# Altium PCB PowerSupply-Motherboard.PcbDoc (part 1 of 2)
Units mil, origin at the board's own origin, x right, y up, seen from the top; angles counter-clockwise.
Board outline 3937.01 x 1574.8 mil, 4 copper layers (L1, L2, L3, L4), stack 59.72 mil thick; 138 components, 76 nets, 435 pads, 157 vias.
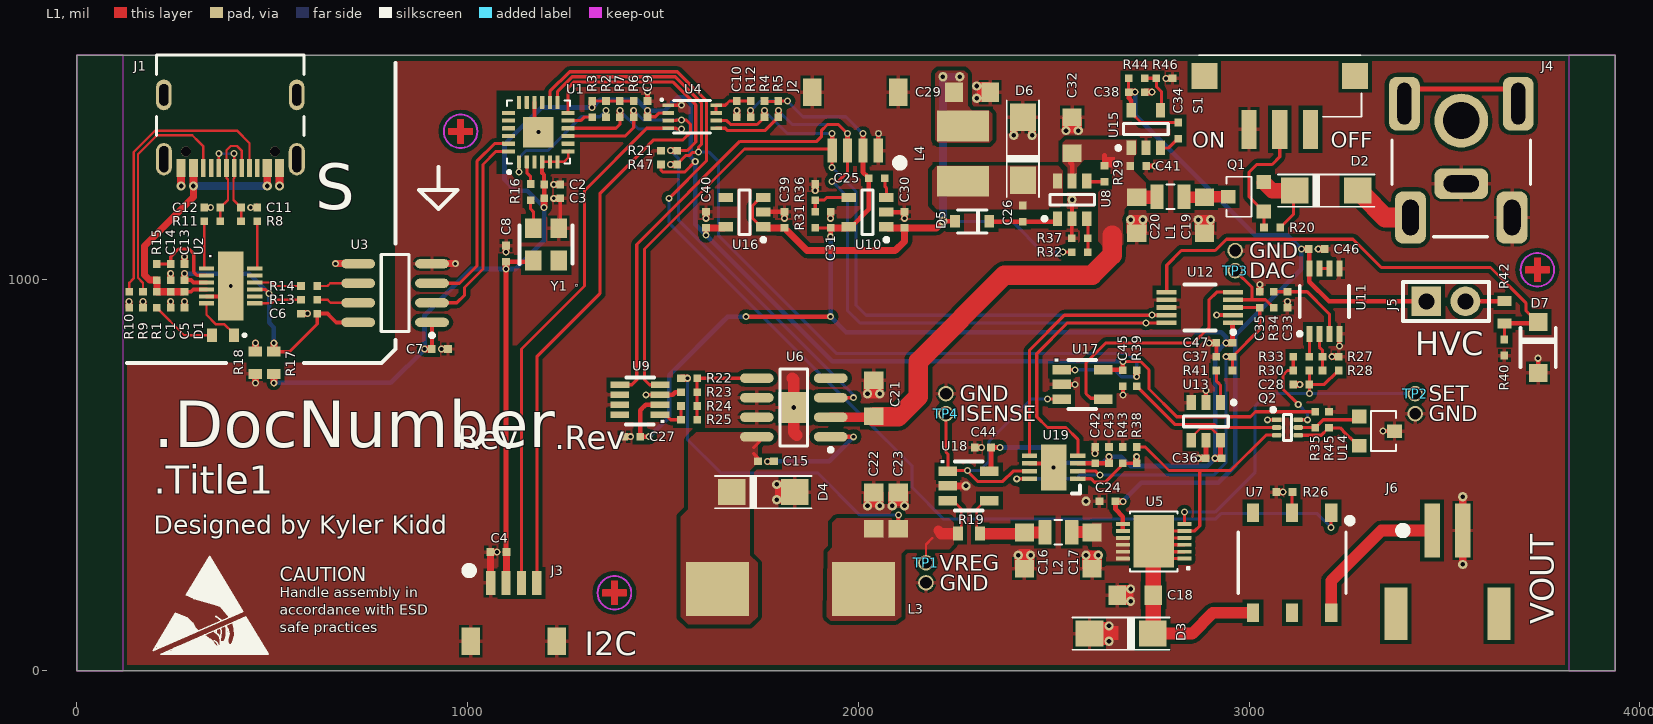
[diagram p0: L1 view]
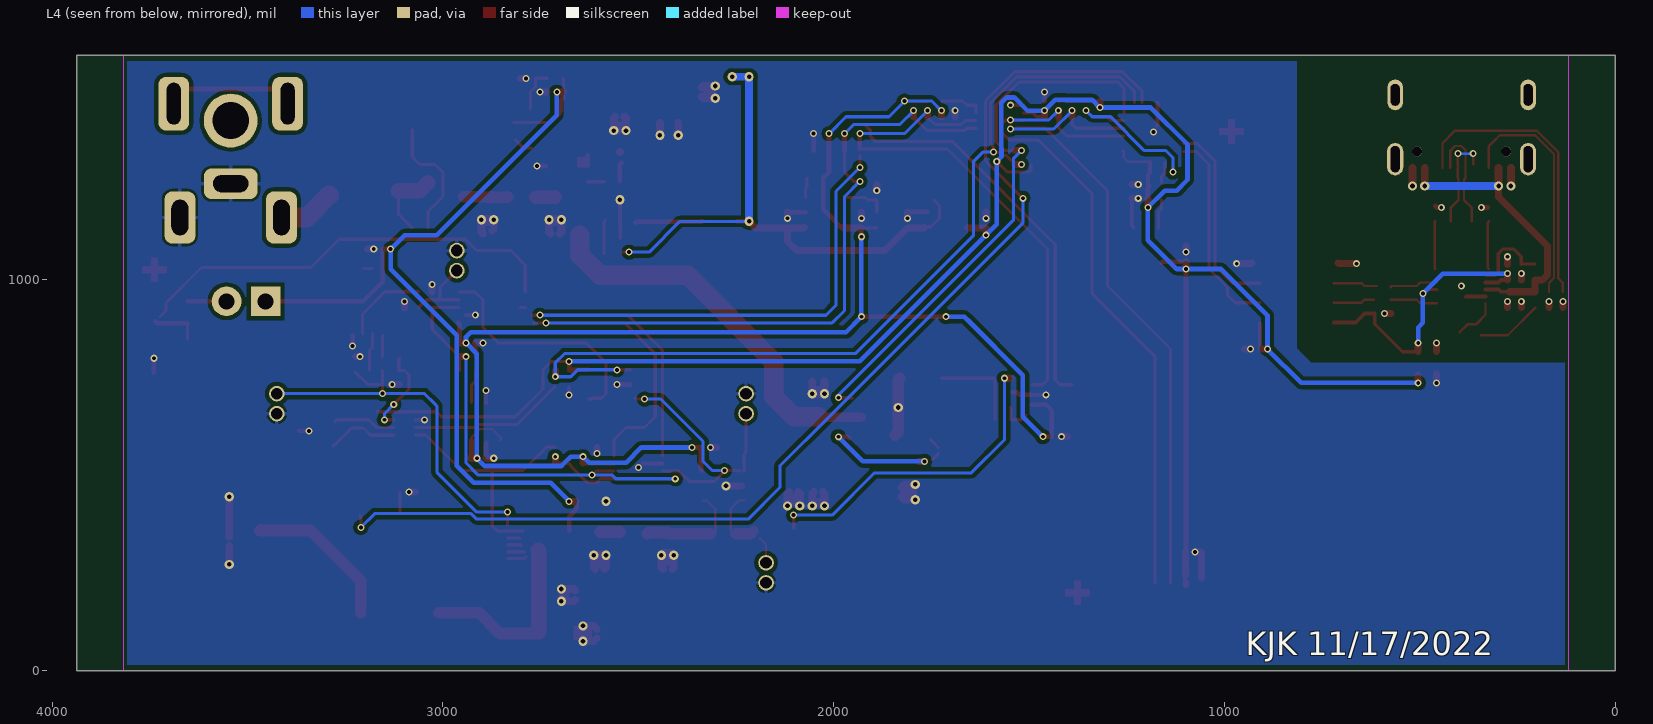
[diagram p1: L4 view, seen from below]
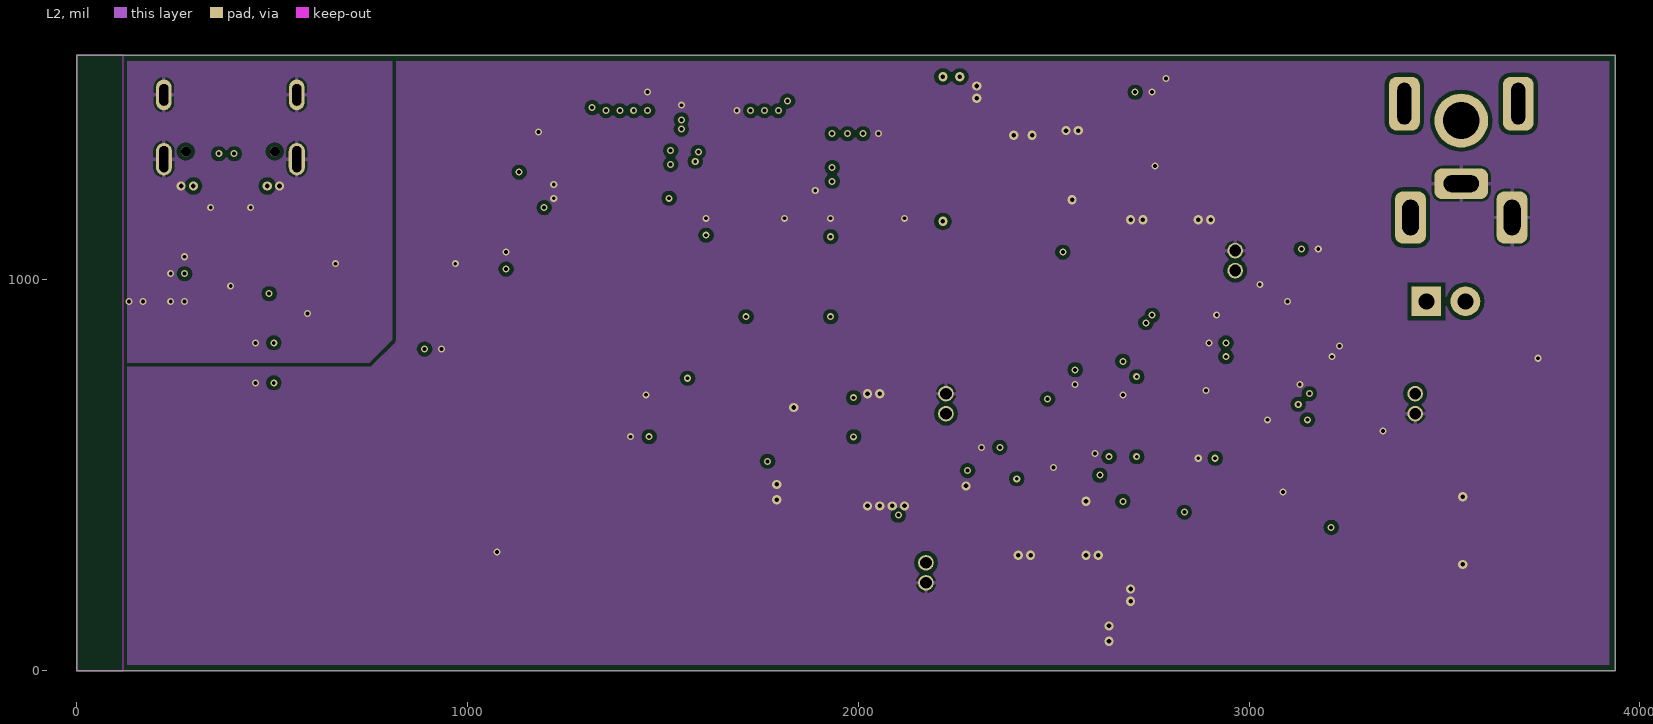
[diagram p2: L2]
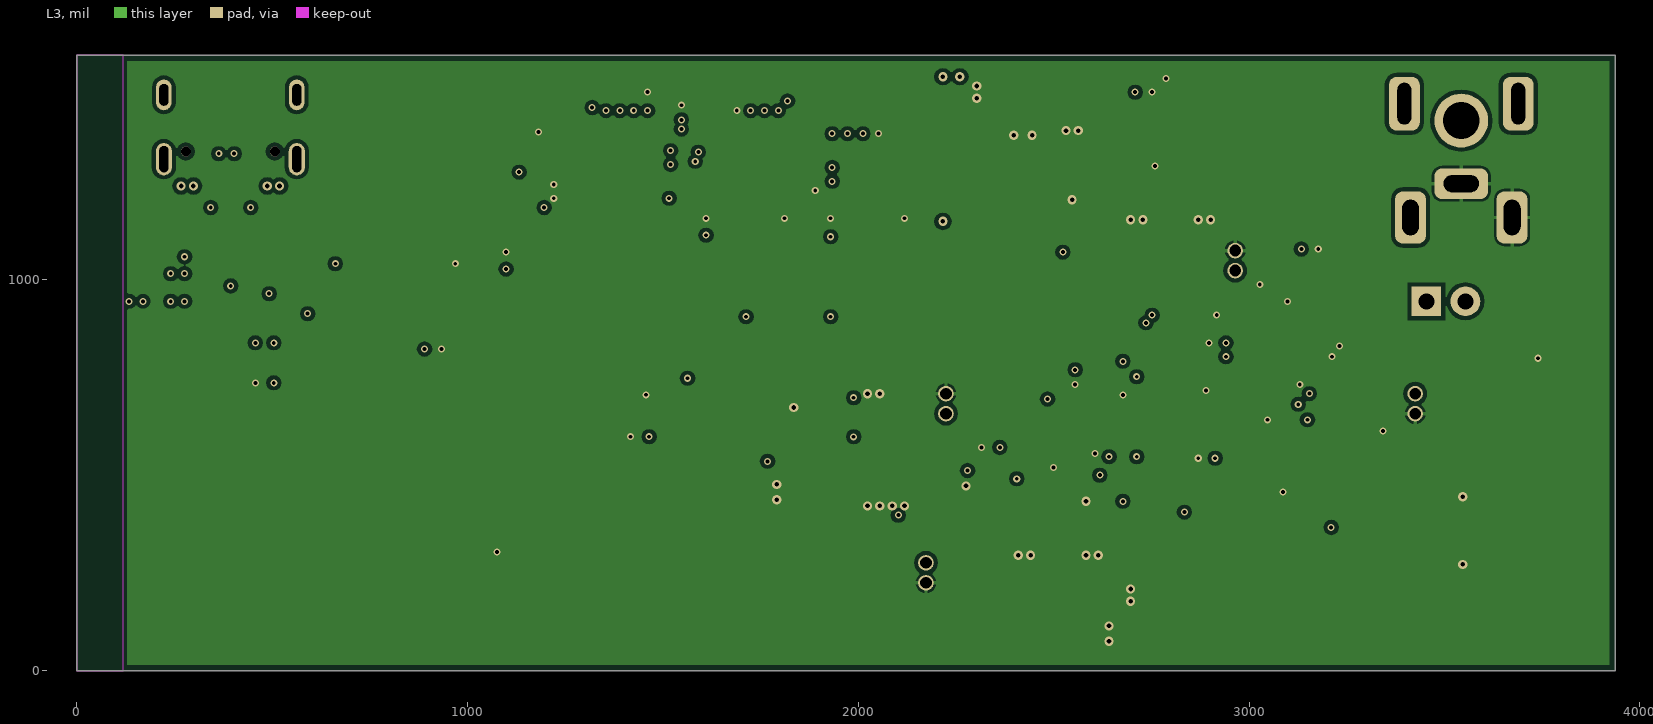
[diagram p3: L3]
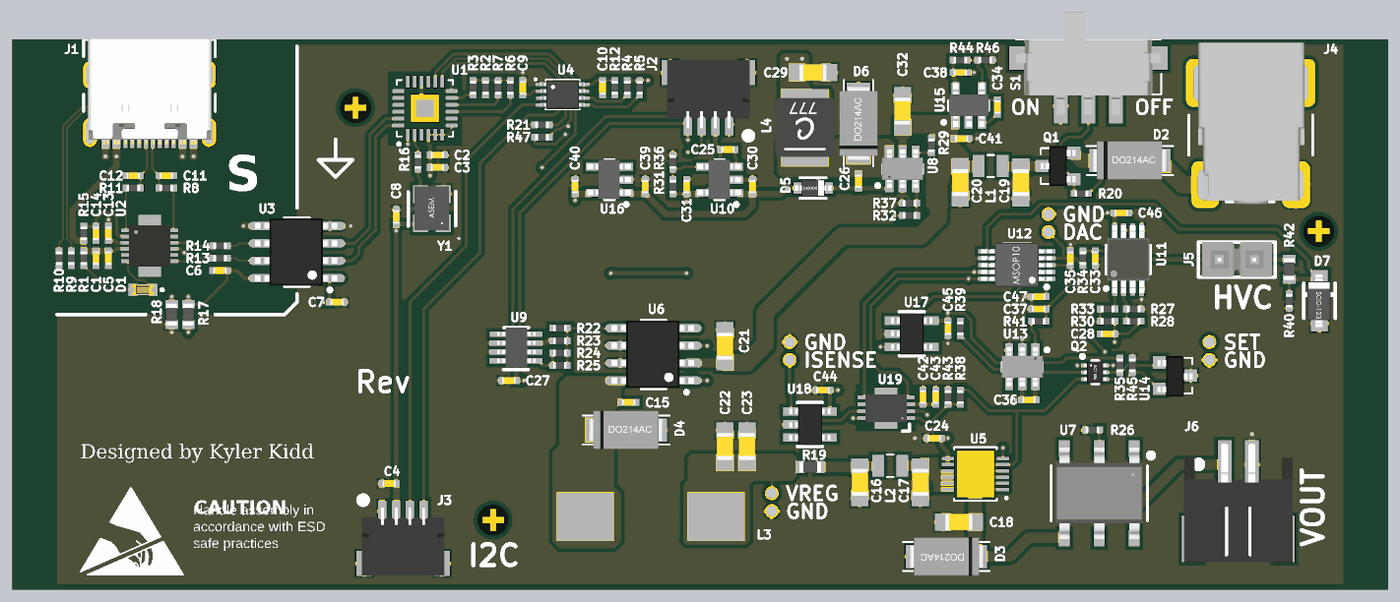
[diagram p5: 3D render of the assembled board from above, using the file's embedded part models]

## Layer stack, top to bottom
Top Solder: solder mask 1, Solder Resist, Dk 0
L1: signal copper 1.7
Prepeg: prepreg 7.96, FR408, Dk 4.2
L2: signal copper 0.7
Core: core 39, FR-4, Dk 4.2
L3: signal copper 0.7
Prepeg: prepreg 7.96, FR408, Dk 4.2
L4: signal copper 1.7
Bottom Solder: solder mask 1, Solder Resist, Dk 0

## Board outline
0,0 0,1574.8 3937.01,1574.8 3937.01,0

## Design rules (kind name [scope] priority, off if disabled: settings)
BoardOutlineClearance [All] p1: gap=15 ignorepadtopadclearanceinfootprint=FALSE
Clearance "Clearance Polygons" [InPolygon] p1: gap=10 ignorepadtopadclearanceinfootprint=FALSE except(0: Arc-Hole Track-Hole SMDPad-Hole THPad-Hole Via-Hole Fill-Hole Poly-Hole Region-Hole Text-Hole)
Clearance [All] p2: gap=5 ignorepadtopadclearanceinfootprint=FALSE except(0: Arc-Hole Track-Hole SMDPad-Hole THPad-Hole Via-Hole Fill-Hole Poly-Hole Region-Hole Text-Hole)
ComponentClearance "HM-TRP & UFL" [InComponent('X1') vs InComponent('U1')] p1: gap=0 collisioncheckmode=3 verticalgap=0 showdistances=FALSE
ComponentClearance [All] p2: gap=1 collisioncheckmode=3 verticalgap=1 showdistances=FALSE
DiffPairsRouting [All] p1: maxlimit=393.7 minlimit=5 mostfreqgap=8 toplayer_minwidth=5 toplayer_maxwidth=15 toplayer_prefwidth=8 midlayer1_minwidth=5 midlayer1_maxwidth=15 midlayer1_prefwidth=8 midlayer2_minwidth=5 midlayer2_maxwidth=15 midlayer2_prefwidth=8 bottomlayer_minwidth=5 bottomlayer_maxwidth=15 bottomlayer_prefwidth=8 maxuncoupledlength=500
HoleSize [All] p1: absolutevalues=TRUE maxlimit=265 minlimit=10 maxpercent=80.000 minpercent=20.000
HoleToHoleClearance [All] p1: gap=10 allowstackedmicrovias=FALSE
MinimumAnnularRing [All] p1: minimumring=4
MinimumSolderMaskSliver [All] p1: minsoldermaskwidth=0
PlaneClearance [All] p1: clearance=10
PlaneConnect [All] p1: planeconnectstyle=Relief reliefexpansion=4 reliefentries=4 reliefconductorwidth=6 reliefairgap=6
PolygonConnect PolygonConnect_8 [All vs IsNamedPolygon('L1-VIN')] p1: thpad.connectstyle=Relief thpad.reliefconductorwidth=10 thpad.reliefentries=4 thpad.polygonreliefangle="90 Angle" thpad.airgapwidth=10 smdpad.connectstyle=Direct smdpad.reliefconductorwidth=10 smdpad.reliefentries=4 smdpad.polygonreliefangle="90 Angle" smdpad.airgapwidth=10 via.connectstyle=Relief via.reliefconductorwidth=10 via.reliefentries=4 via.polygonreliefangle="90 Angle" via.airgapwidth=10
PolygonConnect PolygonConnect_7 [All vs IsNamedPolygon('L1-CS+')] p2: thpad.connectstyle=Relief thpad.reliefconductorwidth=10 thpad.reliefentries=4 thpad.polygonreliefangle="90 Angle" thpad.airgapwidth=10 smdpad.connectstyle=Direct smdpad.reliefconductorwidth=10 smdpad.reliefentries=4 smdpad.polygonreliefangle="90 Angle" smdpad.airgapwidth=10 via.connectstyle=Relief via.reliefconductorwidth=10 via.reliefentries=4 via.polygonreliefangle="90 Angle" via.airgapwidth=10
PolygonConnect PolygonConnect_6 [All vs IsNamedPolygon('L1-SWB')] p3: thpad.connectstyle=Relief thpad.reliefconductorwidth=10 thpad.reliefentries=4 thpad.polygonreliefangle="90 Angle" thpad.airgapwidth=10 smdpad.connectstyle=Direct smdpad.reliefconductorwidth=10 smdpad.reliefentries=4 smdpad.polygonreliefangle="90 Angle" smdpad.airgapwidth=10 via.connectstyle=Relief via.reliefconductorwidth=10 via.reliefentries=4 via.polygonreliefangle="90 Angle" via.airgapwidth=10
PolygonConnect PolygonConnect_5 [All vs IsNamedPolygon('L1-SWB')] p4: thpad.connectstyle=Relief thpad.reliefconductorwidth=10 thpad.reliefentries=4 thpad.polygonreliefangle="90 Angle" thpad.airgapwidth=10 smdpad.connectstyle=Direct smdpad.reliefconductorwidth=10 smdpad.reliefentries=4 smdpad.polygonreliefangle="90 Angle" smdpad.airgapwidth=10 via.connectstyle=Relief via.reliefconductorwidth=10 via.reliefentries=4 via.polygonreliefangle="90 Angle" via.airgapwidth=10
PolygonConnect PolygonConnect_4 [All vs IsNamedPolygon('L1-SWA')] p5: thpad.connectstyle=Relief thpad.reliefconductorwidth=10 thpad.reliefentries=4 thpad.polygonreliefangle="90 Angle" thpad.airgapwidth=10 smdpad.connectstyle=Direct smdpad.reliefconductorwidth=10 smdpad.reliefentries=4 smdpad.polygonreliefangle="90 Angle" smdpad.airgapwidth=10 via.connectstyle=Relief via.reliefconductorwidth=10 via.reliefentries=4 via.polygonreliefangle="90 Angle" via.airgapwidth=10
PolygonConnect PolygonConnect_3 [All vs IsNamedPolygon('L1-V+')] p6: thpad.connectstyle=Relief thpad.reliefconductorwidth=10 thpad.reliefentries=4 thpad.polygonreliefangle="90 Angle" thpad.airgapwidth=10 smdpad.connectstyle=Direct smdpad.reliefconductorwidth=10 smdpad.reliefentries=4 smdpad.polygonreliefangle="90 Angle" smdpad.airgapwidth=10 via.connectstyle=Direct via.reliefconductorwidth=10 via.reliefentries=4 via.polygonreliefangle="90 Angle" via.airgapwidth=10
PolygonConnect PolygonConnect_2 [All vs IsNamedPolygon('L1-+5.5V')] p7: thpad.connectstyle=Relief thpad.reliefconductorwidth=10 thpad.reliefentries=4 thpad.polygonreliefangle="90 Angle" thpad.airgapwidth=10 smdpad.connectstyle=Direct smdpad.reliefconductorwidth=10 smdpad.reliefentries=4 smdpad.polygonreliefangle="90 Angle" smdpad.airgapwidth=10 via.connectstyle=Direct via.reliefconductorwidth=10 via.reliefentries=4 via.polygonreliefangle="90 Angle" via.airgapwidth=10
PolygonConnect PolygonConnect_1 [All vs IsNamedPolygon('L1-SWA')] p8: thpad.connectstyle=Relief thpad.reliefconductorwidth=10 thpad.reliefentries=4 thpad.polygonreliefangle="90 Angle" thpad.airgapwidth=10 smdpad.connectstyle=Direct smdpad.reliefconductorwidth=10 smdpad.reliefentries=4 smdpad.polygonreliefangle="90 Angle" smdpad.airgapwidth=10 via.connectstyle=Relief via.reliefconductorwidth=10 via.reliefentries=4 via.polygonreliefangle="90 Angle" via.airgapwidth=10
PolygonConnect "Via connect style" [isVia] p9: connectstyle=Direct reliefconductorwidth=10 reliefentries=4 polygonreliefangle="90 Angle" airgapwidth=10
PolygonConnect [All] p10: connectstyle=Relief reliefconductorwidth=10 reliefentries=4 polygonreliefangle="90 Angle" airgapwidth=6
RoutingCorners [All] p1: cornerstyle=45-Degree minsetback=49.21 maxsetback=49.21
RoutingVias [All] p1: holewidth=12 width=22 viastyle="Through Hole" minholewidth=10 minwidth=18 maxholewidth=100 maxwidth=114
SilkToSilkClearance [All] p1: silktosilkclearance=0
SilkToSolderMaskClearance [IsPad] p1: minsilkscreentomaskgap=0 clearancetoexposedcopper=TRUE
SolderMaskExpansion [All] p1: expansion=2.5
Width GND [InNet('GND')] p1: maxlimit=30 minlimit=8 preferedwidth=20
Width Power [InNetClass('Power')] p2: maxlimit=40 minlimit=20 preferedwidth=30
Width 3V3 [InNetClass('3V3')] p3: maxlimit=30 minlimit=10 preferedwidth=20
Width [All] p4: maxlimit=400 minlimit=6 preferedwidth=8
20 further rules are at their usual default settings.

## Classes and differential pairs
differential pair USB: +USB_P -USB_N

## Components (designator, comment, footprint, x,y, rotation, side; value= is the part's Value field where it differs from the comment)
C1 "10uF" 0402 240.16,948.82 r90 top
C2 "0.1uF" 0402 1216.54,1244.09 r180 top
C3 "4.7uF" 0402 1216.54,1208.66 r180 top
C4 "10uF" 0402 1078.74,303.15 r0 top
C5 "0.1uF" 0402 275.59,948.82 r90 top
C6 "0.1uF" 0402 594.49,913.39 r0 top
C7 "0.1uF" 0402 929.13,822.83 r180 top
C8 "0.01uF" 0402 1098.43,1066.93 r270 top
C9 "0.1uF" 0402 1460.63,1437.01 r270 top
C10 "0.1uF" 0402 1688.98,1437.01 r90 top
C11 "47pF" 0402 440.94,1185.04 r180 top
C12 "47pF" 0402 346.46,1185.04 r0 top
C13 "0.1uF" 0402 275.59,1019.69 r270 top
C14 "0.1uF" 0402 240.16,1019.69 r90 top
C15 "0.1uF" 0402 1763.78,535.43 r0 top
C16 "22uF" 0805 2425.2,307.09 r90 top
C17 "22uF" 0805 2598.43,307.09 r90 top
C18 "22uF" 0805 2708.66,192.91 r0 top
C19 "22uF" 0805 2885.83,1165.35 r90 top
C20 "22uF" 0805 2712.6,1165.35 r90 top
C21 "22uF" 0805 2039.37,696.85 r270 top
C22 "22uF" 0805 2039.37,409.45 r270 top
C23 "22uF" 0805 2102.36,409.45 r270 top
C24 "4.7uF" 0402 2637.8,433.07 r0 top
C25 "0.01uF" 0402 2047.24,1259.84 r0 top
C26 "0.01uF" 0402 2421.26,1169.29 r270 top
C27 "0.1uF" 0402 1421.26,598.43 r0 top
C28 "0.01uF" 0402 3133.86,732.28 r0 top
C29 "22uF" 0805 2291.34,1480.32 r180 top
C30 "4.7uF" 0402 2118.11,1153.54 r270 top
C31 "4.7uF" 0402 1929.13,1153.54 r270 top
C32 "22uF" 0805 2547.24,1370.08 r270 top
C33 "0.1uF" 0402 3098.43,948.82 r90 top
C34 "0.01uF" 0402 2818.9,1381.89 r270 top
C35 "DNP" 0402 3027.56,948.82 r270 top
C36 "4.7uF" 0402 2909.45,543.31 r0 top
C37 "DNP" 0402 2937.01,803.15 r0 top
C38 "4.7uF" 0402 2712.6,1480.32 r180 top
C39 "10uF" 0402 1811.02,1153.54 r270 top
C40 "10uF" 0402 1610.24,1153.54 r270 top
C41 "4.7uF" 0402 2716.54,1291.34 r180 top
C42 "0.1uF" 0402 2606.3,551.18 r270 top
C43 "10uF" 0402 2641.73,551.18 r270 top
C44 "0.1uF" 0402 2318.9,570.87 r0 top
C45 "0.1uF" 0402 2677.17,748.03 r90 top
C46 "0.1uF" 0402 3173.23,1078.74 r180 top
C47 "0.1uF" 0402 2937.01,838.58 r0 top
D1 "LED_Red" 0603_LED_Red 374.02,858.27 r0 top
D2 "B240A-13-F" SMA 3196.85,1228.35 r180 top
D3 "SMAJE12AH" SMA 2673.23,94.49 r0 top
D4 "B240A-13-F" SMA 1755.91,456.69 r180 top
D5 "1N4148" SOD-323 2291.34,1149.61 r180 top
D6 "B240A-13-F" SMA 2421.26,1334.65 r270 top
D7 "BZT52-B7V5X" SOD-123 3740.16,826.77 r90 top
J1 "USB4105-GF-A" USB4105-GF-A 393.7,1417.32 r180 top locked
J2 "CCSH-W10R-04TR-BK-A" CCSH-W10R-04TR-BK-A 2125.98,1515.75 r180 top locked
J3 "CCSH-W10R-04TR-BK-A" CCSH-W10R-04TR-BK-A 984.25,39.37 r0 top locked
J4 "PJ-047A" PJ-047A 3543.31,1338.58 r270 top locked
J5 "TSW-102-23-S-S" TSW-102-xx-L-S 3503.94,944.88 r0 top
J6 "S2B-PH-SM4-TB(LF)(SN)" S2B-PH-SM4-TB(LF)(SN) 3346.46,78.74 r0 top locked
L1 "2.2uH" 0806AZ 2799.21,1212.6 r180 top
L2 "2.2uH" 0806AZ 2511.81,354.33 r0 top
L3 "10uH" WURTH_WE-LHMI 1826.77,208.66 r0 top
L4 "10uH" XFL4020-xxxMEx 2267.72,1322.83 r90 top
Q1 "DMP3056L-7" SOT-23 2992.13,1212.6 r90 top
Q2 "NPN" SOT-666 3098.43,622.05 r0 top
R1 "1k" 0402 204.72,948.82 r90 top
R2 "1k" 0402 1354.33,1437.01 r90 top
R3 "1k" 0402 1318.9,1437.01 r90 top
R4 "2.7k" 0402 1759.84,1437.01 r90 top
R5 "2.7k" 0402 1795.28,1437.01 r90 top
R6 "2.7k" 0402 1425.2,1437.01 r90 top
R7 "2.7k" 0402 1389.76,1437.01 r90 top
R8 "27" 0402 440.94,1149.61 r0 top
R9 "5.1k" 0402 169.29,948.82 r90 top
R10 "5.1k" 0402 133.86,948.82 r90 top
R11 "27" 0402 346.46,1149.61 r180 top
R12 "200k" 0402 1724.41,1437.01 r270 top
R13 "0" 0402 594.49,948.82 r180 top
R14 "0" 0402 594.49,984.25 r180 top
R15 "10k" 0402 204.72,1019.69 r90 top
R16 "0" 0402 1161.42,1224.41 r90 top
R17 "DNP" 0603 503.94,787.4 r90 top
R18 "DNP" 0603 456.69,787.4 r90 top
R19 "0.1" 0603 2283.46,350.39 r180 top
R20 "10k" 0402 3059.06,1133.86 r180 top
R21 "10k" 0402 1515.75,1330.71 r180 top
R22 "10k" 0402 1566.93,748.03 r0 top
R23 "6.34k" 0402 1566.93,712.6 r0 top
R24 "680" 0402 1566.93,677.17 r0 top
R25 "DNP" 0402 1566.93,641.73 r180 top
R26 "430" 0402 3090.55,456.69 r0 top
R27 "10.2k" 0402 3208.66,803.15 r180 top
R28 "51k" 0402 3208.66,767.72 r0 top
R29 "10k" 0402 2629.92,1271.65 r270 top
R30 "100" 0402 3133.86,767.72 r0 top
R31 "30.9k" 0402 1889.76,1153.54 r270 top
R32 "59k" 0402 2566.93,1070.87 r180 top
R33 "1k" 0402 3133.86,803.15 r180 top
R34 "1k" 0402 3062.99,948.82 r90 top
R35 "10k" 0402 3169.29,641.73 r270 top
R36 "10k" 0402 1889.76,1224.41 r90 top
R37 "10k" 0402 2566.93,1106.3 r180 top
R38 "200k" 0402 2712.6,551.18 r90 top
R39 "100" 0402 2712.6,748.03 r90 top
R40 "10k" 0402 3653.54,826.77 r270 top
R41 "0" 0402 2937.01,767.72 r180 top
R42 "510" 0603 3653.54,917.32 r90 top
R43 "100k" 0402 2677.17,551.18 r90 top
R44 "113k" 0402 2712.6,1515.75 r180 top
R45 "1.2k" 0402 3204.72,641.73 r270 top
R46 "10k" 0402 2783.46,1515.75 r0 top
R47 "1k" 0402 1515.75,1295.28 r180 top
S1 "SS312SAH4-R" SW_SS312SAH4-R 3078.74,1444.88 r270 top locked
TP1 "PREREG" "30-40 Drill"#1 2177.17,259.84 r90 top
TP2 "SET" "30-40 Drill"#2 3425.2,708.66 r90 top
TP3 "VSET" "30-40 Drill"#2 2964.57,1023.62 r90 top
TP4 "ISENSE" "30-40 Drill"#2 2224.41,657.48 r90 top
U1 "SC16IS750IBS,128" "24-HVQFN (4x4)" 1181.1,1377.95 r90 top locked
U2 "FT234XD" DFN-12 393.7,984.25 r270 top locked
U3 "MAX22421" SOIC-8 814.96,966.54 r180 top
U4 "LSF0102" SOT-765 1574.8,1417.32 r0 top
U5 "LT3083" DFN-12_4x4 2755.91,330.71 r180 top
U6 "ADP2303" "SOIC-8 EP" 1834.65,673.23 r180 top
U7 "G3VM-31HR" SOP-6 3110.24,275.59 r180 top
U8 "LMR12010" TSOT-23-6 2547.24,1204.72 r90 top
U9 "AD5245" TSOT-8 1440.94,692.91 r90 top
U10 "LT1761" TSOT23-5 2023.62,1173.23 r180 top
U11 "ADA4661-2" MSOP-8 3192.91,944.88 r0 top
U12 "MCP47CMB22" MSOP-10 2874.02,929.13 r90 top
U13 "MCP1501T-20" TSOT-23-6 2889.76,637.8 r270 top
U14 "TLV431" SOT-23-3 3326.77,610.24 r270 top
U15 "LT1761" TSOT23-5 2736.22,1385.83 r90 top
U16 "ADP121AUJZ-3.3-R7" TSOT23-5 1708.66,1173.23 r180 top
U17 "MCP6546" TSOT-23-5 2574.8,732.28 r270 top
U18 "INA293A" TSOT-23-5 2283.46,472.44 r270 top
U19 "MCP3426" DFN-8_2x3 2500,519.69 r90 top
Y1 "ASE-14.7456MHZ-LC-T" ASE-XXXXX-X-X-X 1200.79,1090.55 r90 top

## Footprints (in the part's own frame and the unit in brackets; to place one, negate y for a bottom-side part, rotate by r counter-clockwise, add the part's x,y. Pads: shape width x height; smd on the part's side, far side on the other; paste and mask are expansions set on the pad)
"24-HVQFN (4x4)" [mm]
  rrect25% 0.86x0.27 smd: 1(-1.935,1.25) 2(-1.935,0.75) 3(-1.935,0.25) 4(-1.935,-0.25) 5(-1.935,-0.75) 6(-1.935,-1.25) 13(1.935,-1.25) 14(1.935,-0.75) 15(1.935,-0.25) 16(1.935,0.25) 17(1.935,0.75) 18(1.935,1.25)
  rrect25% 0.27x0.86 smd: 7(-1.25,-1.935) 8(-0.75,-1.935) 9(-0.25,-1.935) 10(0.25,-1.935) 11(0.75,-1.935) 12(1.25,-1.935) 19(1.25,1.935) 20(0.75,1.935) 21(0.25,1.935) 22(-0.25,1.935) 23(-0.75,1.935) 24(-1.25,1.935)
  rect 2x2 smd paste-0.37: 25(0,0)
  silkscreen extent -2.7,-2.05 2.05,2.05, body extent -2.03,-2.03 2.03,2.03, height 0.5
"30-40 Drill"#1 [mil]
  round 40 hole 30: 1(15.75,3.94)
"30-40 Drill"#2 [mil]
  round 40 hole 30: 1(0,0)
0402 [mm] "Chip Capacitor; Body 1.0 x 0.5 mm (LxW typ)"
  rect 0.5x0.5 smd mask+0.038: 1(-0.525,0) 2(0.525,0)
  body extent -0.5,-0.25 0.5,0.25, height 0.6
0603 [mm] "Chip Resistor; Body 1.6 x 0.9 mm (LxW typ)"
  rect 0.65x0.9 smd mask+0.038: 1(-0.725,0) 2(0.725,0)
  body extent -0.8,-0.4 0.8,0.4, height 0.5
0603_LED_Red [mm]
  rect 0.65x0.9 smd mask+0.038: 1(-0.725,0) 2(0.725,0)
  silkscreen extent 1.34,-0.06 1.46,0.06, body extent -0.8,-0.4 0.8,0.4, height 0.6
0805 [mm] "Chip Capacitor; Body 2.0 x 1.2 mm (LxW typ)"
  rect 1.15x1.25 smd mask+0.038: 1(-1.175,0) 2(1.175,0)
  body extent -1,-0.6 1,0.6, height 1.27
0806AZ [mm] "2.0 X 1.6 MM LOW PROFILE INDUCTOR"
  rect 0.85x1.6 smd mask+0.038: 1(-0.875,0) 2(0.875,0)
  silkscreen extent -0.25,-0.8 0.25,0.8, body extent -1,-0.8 1,0.8, height 1
ASE-XXXXX-X-X-X [mil] "OSC XO x.xxxMHZ CMOS SMD"
  rect 51x43 smd mask+1.5: 1(-41.5,-32.5) 2(41.5,-32.5) 3(41.5,32.5) 4(-41.5,32.5)
  silkscreen extent -50,-68 49,68, body extent -62,-48 64,50, height 34
CCSH-W10R-04TR-BK-A [mm]
  rect 0.6x1.55 smd: 1(1.9,4.7) 2(2.9,4.7) 3(3.9,4.7) 4(4.9,4.7)
  rect 1.2x1.8 smd: S1(0.6,0.9) S2(6.2,0.9)
  silkscreen extent 0.3,5.3 0.7,5.7, body extent 0.4,0 6.4,4.96, height 3.25
DFN-8_2x3 [mm]
  rect 0.3x1 smd mask+0.038: 1(-0.734,-1.576) 2(-0.234,-1.576) 3(0.266,-1.576) 4(0.766,-1.576) 5(0.766,1.574) 6(0.266,1.574) 7(-0.234,1.574) 8(-0.734,1.574)
  rect 3x1.65 smd mask+0.038: 9(0,0)
  silkscreen extent -1.68,-1.7 -1.18,-1.2, body extent -1,-1.5 1,1.5, height 0.94
DFN-12 [mm]
  rect 0.27x1 smd mask+0.038: 1(-1.125,-1.575) 2(-0.675,-1.575) 3(-0.225,-1.575) 4(0.225,-1.575) 5(0.675,-1.575) 6(1.125,-1.575) 7(1.125,1.575) 8(0.675,1.575) 9(0.225,1.575) 10(-0.225,1.575) 11(-0.675,1.575) 12(-1.125,1.575)
  rect 4.5x1.65 smd mask+0.038: 13(0,0)
  body extent -1.5,-1.5 1.5,1.5, height 0.76
DFN-12_4x4 [mm]
  rrect12% 0.9x0.25 smd: 1(-2,1.125) 2(-2,0.675) 3(-2,0.225) 4(-2,-0.225) 5(-2,-0.675) 6(-2,-1.125) 7(2,-1.125) 8(2,-0.675) 9(2,-0.225) 10(2,0.225) 11(2,0.675) 12(2,1.125)
  rect 2.65x3.4 smd paste-2: 13(0,0)
  silkscreen extent -2.33,-1.95 1.55,1.95, body extent -2,-1.75 2,1.75, height 0.25
MSOP-8 [mm]
  rect 0.38x1.04 smd mask+0.038: 1(-0.975,-2.11) 2(-0.325,-2.11) 3(0.325,-2.11) 4(0.975,-2.11) 5(0.975,2.13) 6(0.325,2.13) 7(-0.325,2.13) 8(-0.975,2.13)
  silkscreen extent -1.72,-2.23 1.6,1.01, body extent -1.55,-2.46 1.55,2.48, height 1.09
MSOP-10 [mm]
  rect 0.3x1.3 smd mask+0.038: 1(-1,-2.15) 2(-0.5,-2.15) 3(0,-2.15) 4(0.5,-2.15) 5(1,-2.15) 6(1,2.15) 7(0.5,2.15) 8(0,2.15) 9(-0.5,2.15) 10(-1,2.15)
  silkscreen extent -1.72,-2.3 1.5,1, body extent -1.6,-2.57 1.6,2.58, height 1.09
PJ-047A [mm] "CON PWR JCK 2.0 X 6.0MM W/SHLD"
  round 3.5 hole 2.4 mask+0.038: 0(-1.75,0)
  rrect50% 3.4x2 hole 1.1 slot 2.3 at 0 deg mask+0.038: 1(4.55,-3.3) 3(4.55,3.3)
  rrect50% 2x3.5 hole 1.1 slot 2.3 at 90 deg mask+0.038: 2(2.35,0)
  rrect50% 3.5x2 hole 0.9 slot 2.7 at 0 deg mask+0.038: 4(-2.85,-3.7) 5(-2.85,3.7)
  silkscreen extent -0.5,-4.5 5.8,4.5, body extent -5.77,-3.8 5.97,3.9, height 9.8
S2B-PH-SM4-TB(LF)(SN) [mm]
  rect 1x3.5 smd: 1(3.1,7.1) 2(5.1,7.1)
  rect 1.5x3.4 smd: S1(0.75,1.7) S2(7.45,1.7)
  silkscreen extent 1,6.9 1.4,7.3, body extent 0.15,0 8.05,8.6, height 4.8